# Altium PCB touch-2ch-v4.PcbDoc (part 1 of 8) (continued)
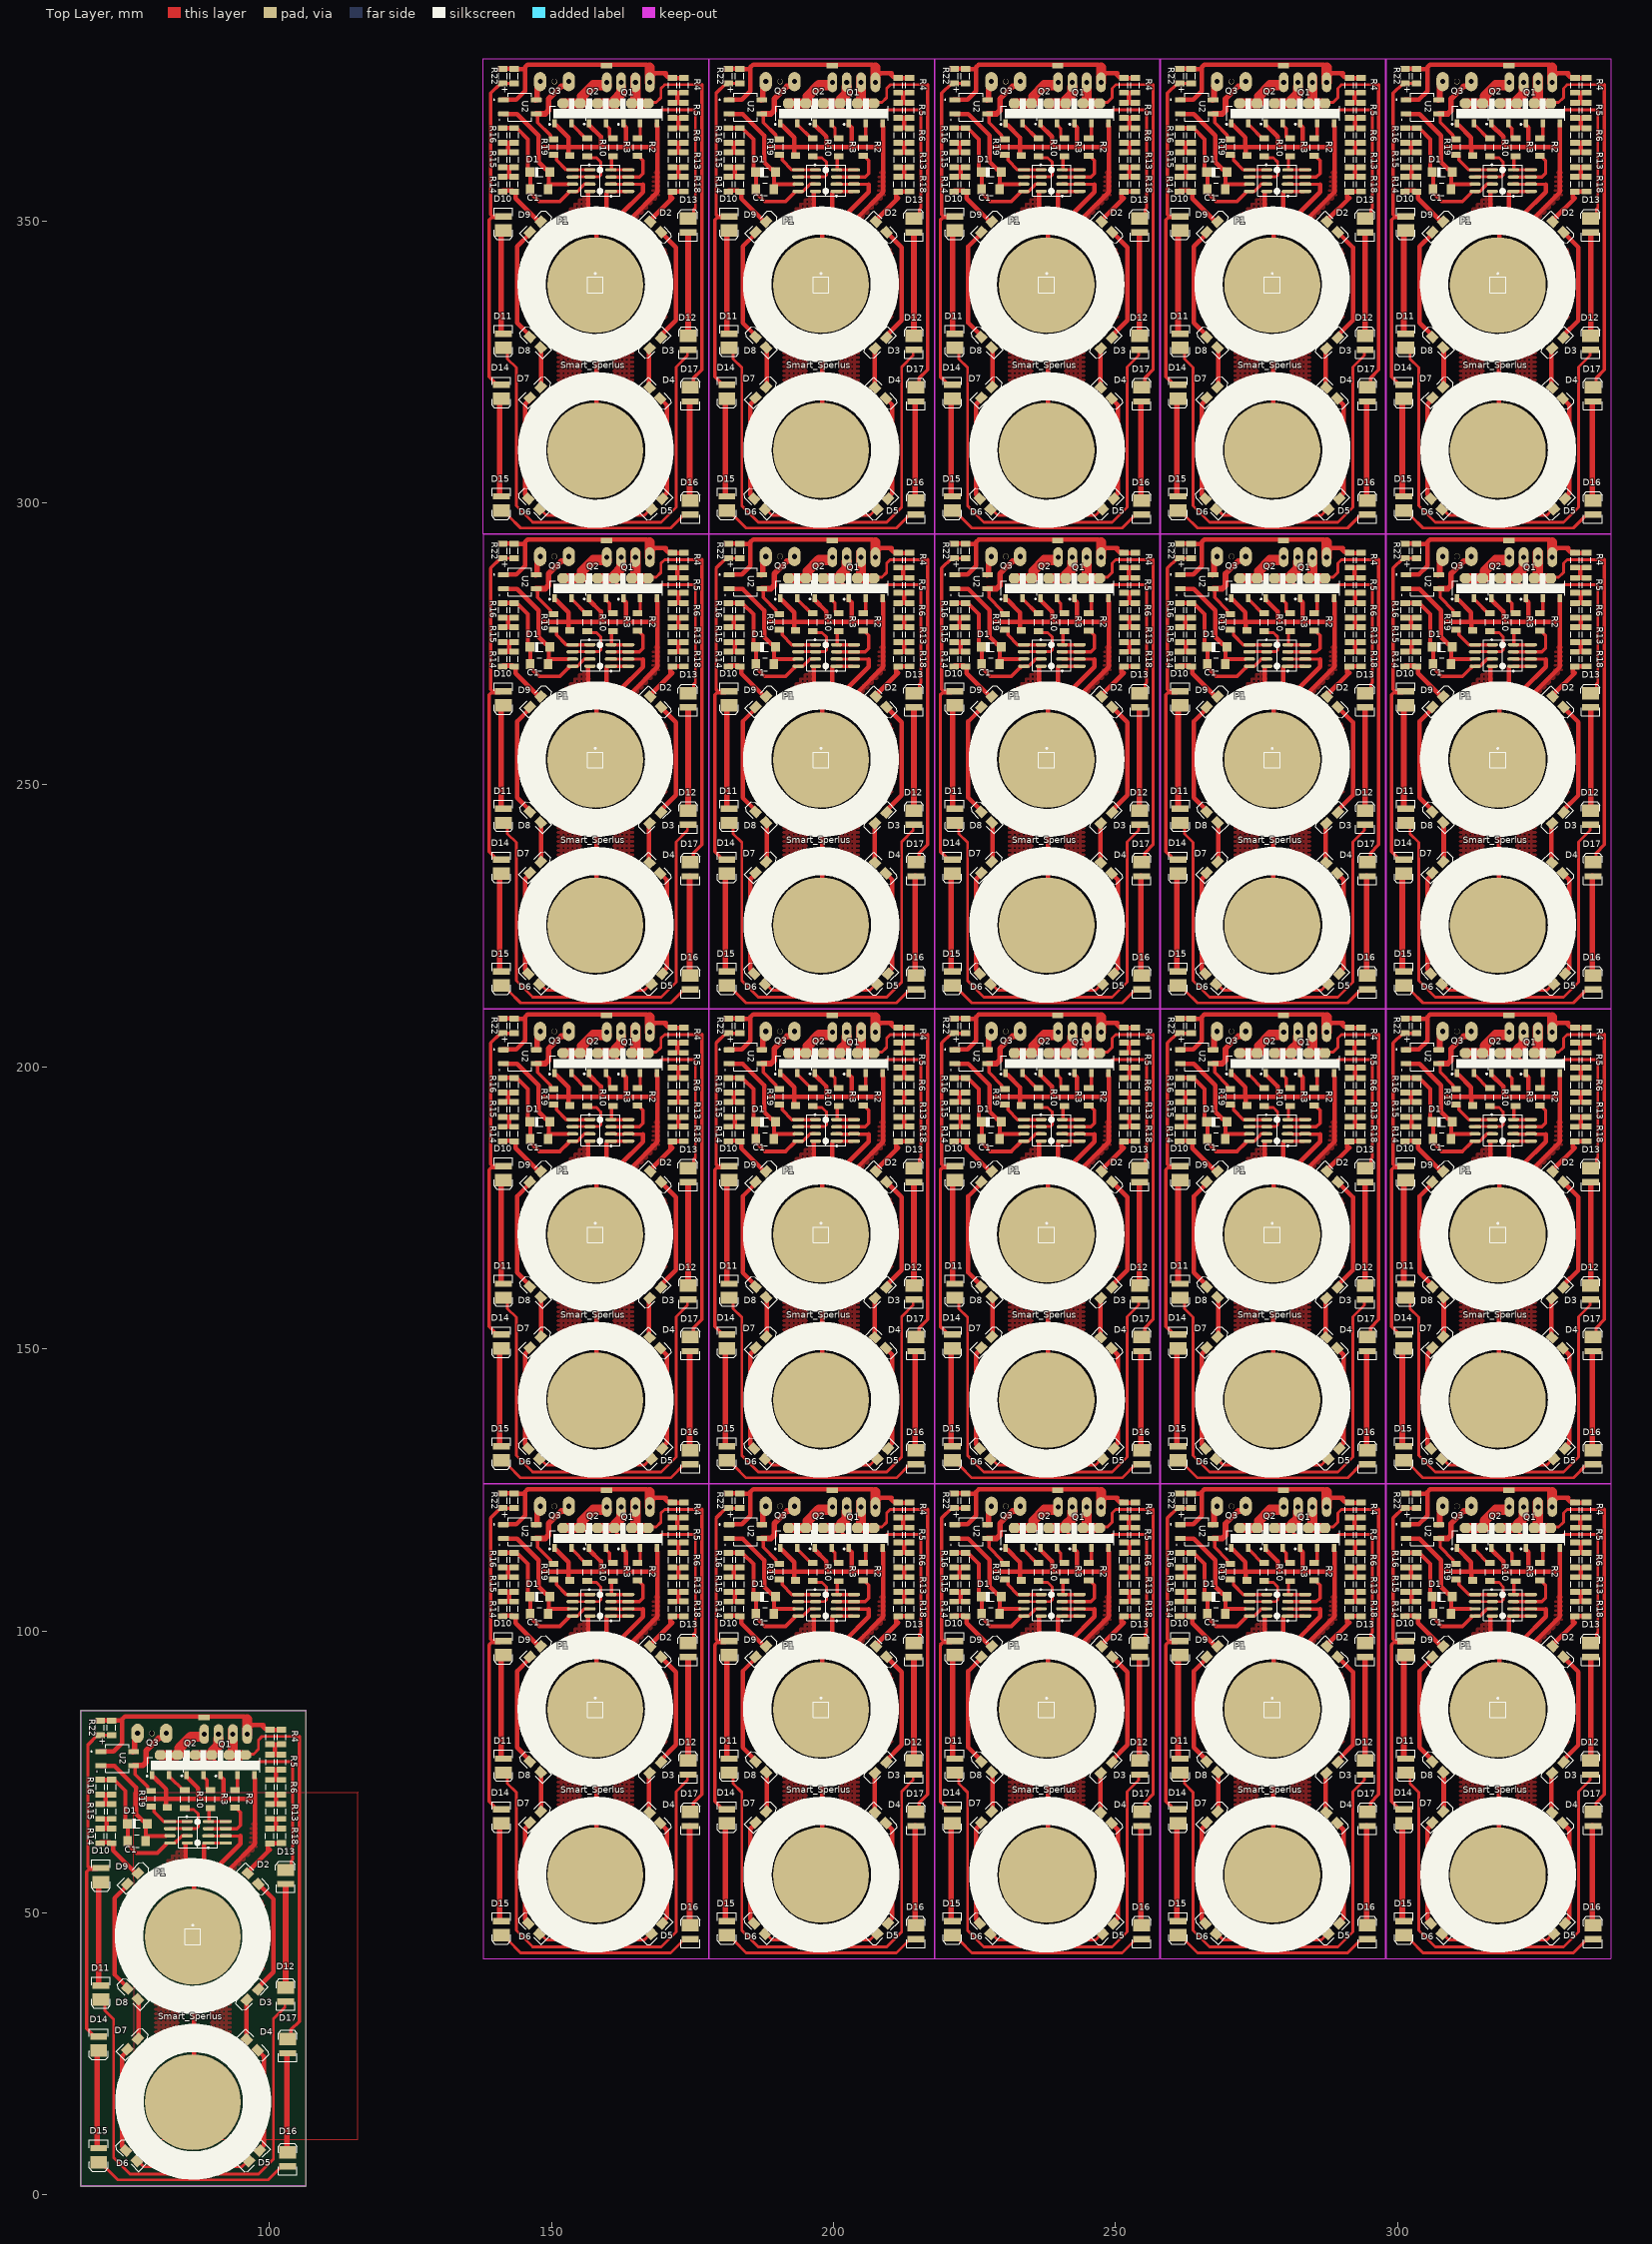
[diagram p0: Top Layer view]
## Components (designator, comment, footprint, x,y, rotation, side; value= is the part's Value field where it differs from the comment) (continued)
D15 "LED2" 3.2X1.6X1.1#5 141.097,47.117 r270 top
D15 "LED2" 3.2X1.6X1.1#5 181.097,47.117 r270 top
D15 "LED2" 3.2X1.6X1.1#5 221.097,47.117 r270 top
D15 "LED2" 3.2X1.6X1.1#5 261.097,47.117 r270 top
D15 "LED2" 3.2X1.6X1.1#5 301.097,47.117 r270 top
D15 "LED2" 3.2X1.6X1.1#5 69.723,6.858 r270 top
D16 "LED2" 3.2X1.6X1.1#5 174.625,299.336 r90 top
D16 "LED2" 3.2X1.6X1.1#5 214.625,299.336 r90 top
D16 "LED2" 3.2X1.6X1.1#5 254.625,299.336 r90 top
D16 "LED2" 3.2X1.6X1.1#5 294.625,299.336 r90 top
D16 "LED2" 3.2X1.6X1.1#5 334.625,299.336 r90 top
D16 "LED2" 3.2X1.6X1.1#5 174.625,215.136 r90 top
D16 "LED2" 3.2X1.6X1.1#5 214.625,215.136 r90 top
D16 "LED2" 3.2X1.6X1.1#5 254.625,215.136 r90 top
D16 "LED2" 3.2X1.6X1.1#5 294.625,215.136 r90 top
D16 "LED2" 3.2X1.6X1.1#5 334.625,215.136 r90 top
D16 "LED2" 3.2X1.6X1.1#5 174.625,130.936 r90 top
D16 "LED2" 3.2X1.6X1.1#5 214.625,130.936 r90 top
D16 "LED2" 3.2X1.6X1.1#5 254.625,130.936 r90 top
D16 "LED2" 3.2X1.6X1.1#5 294.625,130.936 r90 top
D16 "LED2" 3.2X1.6X1.1#5 334.625,130.936 r90 top
D16 "LED2" 3.2X1.6X1.1#5 174.625,46.736 r90 top
D16 "LED2" 3.2X1.6X1.1#5 214.625,46.736 r90 top
D16 "LED2" 3.2X1.6X1.1#5 254.625,46.736 r90 top
D16 "LED2" 3.2X1.6X1.1#5 294.625,46.736 r90 top
D16 "LED2" 3.2X1.6X1.1#5 334.625,46.736 r90 top
D16 "LED2" 3.2X1.6X1.1#5 103.251,6.477 r90 top
D17 "LED2" 3.2X1.6X1.1#5 174.625,319.402 r90 top
D17 "LED2" 3.2X1.6X1.1#5 214.625,319.402 r90 top
D17 "LED2" 3.2X1.6X1.1#5 254.625,319.402 r90 top
D17 "LED2" 3.2X1.6X1.1#5 294.625,319.402 r90 top
D17 "LED2" 3.2X1.6X1.1#5 334.625,319.402 r90 top
D17 "LED2" 3.2X1.6X1.1#5 174.625,235.202 r90 top
D17 "LED2" 3.2X1.6X1.1#5 214.625,235.202 r90 top
D17 "LED2" 3.2X1.6X1.1#5 254.625,235.202 r90 top
D17 "LED2" 3.2X1.6X1.1#5 294.625,235.202 r90 top
D17 "LED2" 3.2X1.6X1.1#5 334.625,235.202 r90 top
D17 "LED2" 3.2X1.6X1.1#5 174.625,151.002 r90 top
D17 "LED2" 3.2X1.6X1.1#5 214.625,151.002 r90 top
D17 "LED2" 3.2X1.6X1.1#5 254.625,151.002 r90 top
D17 "LED2" 3.2X1.6X1.1#5 294.625,151.002 r90 top
D17 "LED2" 3.2X1.6X1.1#5 334.625,151.002 r90 top
D17 "LED2" 3.2X1.6X1.1#5 174.625,66.802 r90 top
D17 "LED2" 3.2X1.6X1.1#5 214.625,66.802 r90 top
D17 "LED2" 3.2X1.6X1.1#5 254.625,66.802 r90 top
D17 "LED2" 3.2X1.6X1.1#5 294.625,66.802 r90 top
D17 "LED2" 3.2X1.6X1.1#5 334.625,66.802 r90 top
D17 "LED2" 3.2X1.6X1.1#5 103.251,26.543 r90 top
J1 "Header4X1" "HEADER 4X1" 167.431,374.565 r180 bottom
J1 "Header4X1" "HEADER 4X1" 207.431,374.565 r180 bottom
J1 "Header4X1" "HEADER 4X1" 247.431,374.565 r180 bottom
J1 "Header4X1" "HEADER 4X1" 287.431,374.565 r180 bottom
J1 "Header4X1" "HEADER 4X1" 327.431,374.565 r180 bottom
J1 "Header4X1" "HEADER 4X1" 167.431,290.365 r180 bottom
J1 "Header4X1" "HEADER 4X1" 207.431,290.365 r180 bottom
J1 "Header4X1" "HEADER 4X1" 247.431,290.365 r180 bottom
J1 "Header4X1" "HEADER 4X1" 287.431,290.365 r180 bottom
J1 "Header4X1" "HEADER 4X1" 327.431,290.365 r180 bottom
J1 "Header4X1" "HEADER 4X1" 167.431,206.165 r180 bottom
J1 "Header4X1" "HEADER 4X1" 207.431,206.165 r180 bottom
J1 "Header4X1" "HEADER 4X1" 247.431,206.165 r180 bottom
J1 "Header4X1" "HEADER 4X1" 287.431,206.165 r180 bottom
J1 "Header4X1" "HEADER 4X1" 327.431,206.165 r180 bottom
J1 "Header4X1" "HEADER 4X1" 167.431,121.965 r180 bottom
J1 "Header4X1" "HEADER 4X1" 207.431,121.965 r180 bottom
J1 "Header4X1" "HEADER 4X1" 247.431,121.965 r180 bottom
J1 "Header4X1" "HEADER 4X1" 287.431,121.965 r180 bottom
J1 "Header4X1" "HEADER 4X1" 327.431,121.965 r180 bottom
J1 "Header4X1" "HEADER 4X1" 96.057,81.706 r180 bottom
J2 "Header3X1" "HEADER 3X1" 148,374.692 r0 bottom
J2 "Header3X1" "HEADER 3X1" 188,374.692 r0 bottom
J2 "Header3X1" "HEADER 3X1" 228,374.692 r0 bottom
J2 "Header3X1" "HEADER 3X1" 268,374.692 r0 bottom
J2 "Header3X1" "HEADER 3X1" 308,374.692 r0 bottom
J2 "Header3X1" "HEADER 3X1" 148,290.492 r0 bottom
J2 "Header3X1" "HEADER 3X1" 188,290.492 r0 bottom
J2 "Header3X1" "HEADER 3X1" 228,290.492 r0 bottom
J2 "Header3X1" "HEADER 3X1" 268,290.492 r0 bottom
J2 "Header3X1" "HEADER 3X1" 308,290.492 r0 bottom
J2 "Header3X1" "HEADER 3X1" 148,206.292 r0 bottom
J2 "Header3X1" "HEADER 3X1" 188,206.292 r0 bottom
J2 "Header3X1" "HEADER 3X1" 228,206.292 r0 bottom
J2 "Header3X1" "HEADER 3X1" 268,206.292 r0 bottom
J2 "Header3X1" "HEADER 3X1" 308,206.292 r0 bottom
J2 "Header3X1" "HEADER 3X1" 148,122.092 r0 bottom
J2 "Header3X1" "HEADER 3X1" 188,122.092 r0 bottom
J2 "Header3X1" "HEADER 3X1" 228,122.092 r0 bottom
J2 "Header3X1" "HEADER 3X1" 268,122.092 r0 bottom
J2 "Header3X1" "HEADER 3X1" 308,122.092 r0 bottom
J2 "Header3X1" "HEADER 3X1" 76.626,81.833 r0 bottom
P1 "Plug" PIN1 157.779,338.624 r0 top
P1 "Plug" PIN1 197.779,338.624 r0 top
P1 "Plug" PIN1 237.779,338.624 r0 top
P1 "Plug" PIN1 277.779,338.624 r0 top
P1 "Plug" PIN1 317.779,338.624 r0 top
P1 "Plug" PIN1 157.779,254.424 r0 top
P1 "Plug" PIN1 197.779,254.424 r0 top
P1 "Plug" PIN1 237.779,254.424 r0 top
P1 "Plug" PIN1 277.779,254.424 r0 top
P1 "Plug" PIN1 317.779,254.424 r0 top
P1 "Plug" PIN1 157.779,170.224 r0 top
P1 "Plug" PIN1 197.779,170.224 r0 top
P1 "Plug" PIN1 237.779,170.224 r0 top
P1 "Plug" PIN1 277.779,170.224 r0 top
P1 "Plug" PIN1 317.779,170.224 r0 top
P1 "Plug" PIN1 157.779,86.024 r0 top
P1 "Plug" PIN1 197.779,86.024 r0 top
P1 "Plug" PIN1 237.779,86.024 r0 top
P1 "Plug" PIN1 277.779,86.024 r0 top
P1 "Plug" PIN1 317.779,86.024 r0 top
P1 "Plug" PIN1 86.405,45.765 r0 top
Q1 "Triac" SOT89N#1 164.234,369.081 r90 top
Q1 "Triac" SOT89N#1 204.234,369.081 r90 top
Q1 "Triac" SOT89N#1 244.233,369.081 r90 top
Q1 "Triac" SOT89N#1 284.234,369.081 r90 top
Q1 "Triac" SOT89N#1 324.233,369.081 r90 top
Q1 "Triac" SOT89N#1 164.234,284.881 r90 top
Q1 "Triac" SOT89N#1 204.234,284.881 r90 top
Q1 "Triac" SOT89N#1 244.233,284.881 r90 top
Q1 "Triac" SOT89N#1 284.234,284.881 r90 top
Q1 "Triac" SOT89N#1 324.233,284.881 r90 top
Q1 "Triac" SOT89N#1 164.234,200.681 r90 top
Q1 "Triac" SOT89N#1 204.234,200.681 r90 top
Q1 "Triac" SOT89N#1 244.233,200.681 r90 top
Q1 "Triac" SOT89N#1 284.234,200.681 r90 top
Q1 "Triac" SOT89N#1 324.233,200.681 r90 top
Q1 "Triac" SOT89N#1 164.234,116.481 r90 top
Q1 "Triac" SOT89N#1 204.234,116.481 r90 top
Q1 "Triac" SOT89N#1 244.233,116.481 r90 top
Q1 "Triac" SOT89N#1 284.234,116.481 r90 top
Q1 "Triac" SOT89N#1 324.233,116.481 r90 top
Q1 "Triac" SOT89N#1 92.86,76.222 r90 top
Q2 "Triac" SOT89N#2 158.162,369.103 r90 top
Q2 "Triac" SOT89N#2 198.162,369.103 r90 top
Q2 "Triac" SOT89N#2 238.161,369.103 r90 top
Q2 "Triac" SOT89N#2 278.162,369.103 r90 top
Q2 "Triac" SOT89N#2 318.161,369.103 r90 top
Q2 "Triac" SOT89N#2 158.162,284.903 r90 top
Q2 "Triac" SOT89N#2 198.162,284.903 r90 top
Q2 "Triac" SOT89N#2 238.161,284.903 r90 top
Q2 "Triac" SOT89N#2 278.162,284.903 r90 top
Q2 "Triac" SOT89N#2 318.161,284.903 r90 top
Q2 "Triac" SOT89N#2 158.162,200.703 r90 top
Q2 "Triac" SOT89N#2 198.162,200.703 r90 top
Q2 "Triac" SOT89N#2 238.161,200.703 r90 top
Q2 "Triac" SOT89N#2 278.162,200.703 r90 top
Q2 "Triac" SOT89N#2 318.161,200.703 r90 top
Q2 "Triac" SOT89N#2 158.162,116.503 r90 top
Q2 "Triac" SOT89N#2 198.162,116.503 r90 top
Q2 "Triac" SOT89N#2 238.161,116.503 r90 top
Q2 "Triac" SOT89N#2 278.162,116.503 r90 top
Q2 "Triac" SOT89N#2 318.161,116.503 r90 top
Q2 "Triac" SOT89N#2 86.788,76.244 r90 top
Q3 "Triac" SOT89N#1 152.042,369.081 r90 top
Q3 "Triac" SOT89N#1 192.042,369.081 r90 top
Q3 "Triac" SOT89N#1 232.041,369.081 r90 top
Q3 "Triac" SOT89N#1 272.042,369.081 r90 top
Q3 "Triac" SOT89N#1 312.041,369.081 r90 top
Q3 "Triac" SOT89N#1 152.042,284.881 r90 top
Q3 "Triac" SOT89N#1 192.042,284.881 r90 top
Q3 "Triac" SOT89N#1 232.041,284.881 r90 top
Q3 "Triac" SOT89N#1 272.042,284.881 r90 top
Q3 "Triac" SOT89N#1 312.041,284.881 r90 top
Q3 "Triac" SOT89N#1 152.042,200.681 r90 top
Q3 "Triac" SOT89N#1 192.042,200.681 r90 top
Q3 "Triac" SOT89N#1 232.041,200.681 r90 top
Q3 "Triac" SOT89N#1 272.042,200.681 r90 top
Q3 "Triac" SOT89N#1 312.041,200.681 r90 top
Q3 "Triac" SOT89N#1 152.042,116.481 r90 top
Q3 "Triac" SOT89N#1 192.042,116.481 r90 top
Q3 "Triac" SOT89N#1 232.041,116.481 r90 top
Q3 "Triac" SOT89N#1 272.042,116.481 r90 top
Q3 "Triac" SOT89N#1 312.041,116.481 r90 top
Q3 "Triac" SOT89N#1 80.668,76.222 r90 top
R2 "10K" "RES 1206 (3216X08L)"#1 165.25,362.985 r90 top
R2 "10K" "RES 1206 (3216X08L)"#1 205.25,362.985 r90 top
R2 "10K" "RES 1206 (3216X08L)"#1 245.249,362.985 r90 top
R2 "10K" "RES 1206 (3216X08L)"#1 285.25,362.985 r90 top
R2 "10K" "RES 1206 (3216X08L)"#1 325.249,362.985 r90 top
R2 "10K" "RES 1206 (3216X08L)"#1 165.25,278.785 r90 top
R2 "10K" "RES 1206 (3216X08L)"#1 205.25,278.785 r90 top
R2 "10K" "RES 1206 (3216X08L)"#1 245.249,278.785 r90 top
R2 "10K" "RES 1206 (3216X08L)"#1 285.25,278.785 r90 top
R2 "10K" "RES 1206 (3216X08L)"#1 325.249,278.785 r90 top
R2 "10K" "RES 1206 (3216X08L)"#1 165.25,194.585 r90 top
R2 "10K" "RES 1206 (3216X08L)"#1 205.25,194.585 r90 top
R2 "10K" "RES 1206 (3216X08L)"#1 245.249,194.585 r90 top
R2 "10K" "RES 1206 (3216X08L)"#1 285.25,194.585 r90 top
R2 "10K" "RES 1206 (3216X08L)"#1 325.249,194.585 r90 top
R2 "10K" "RES 1206 (3216X08L)"#1 165.25,110.385 r90 top
R2 "10K" "RES 1206 (3216X08L)"#1 205.25,110.385 r90 top
R2 "10K" "RES 1206 (3216X08L)"#1 245.249,110.385 r90 top
R2 "10K" "RES 1206 (3216X08L)"#1 285.25,110.385 r90 top
R2 "10K" "RES 1206 (3216X08L)"#1 325.249,110.385 r90 top
R2 "10K" "RES 1206 (3216X08L)"#1 93.876,70.126 r90 top
R3 "10K" "RES 1206 (3216X08L)"#2 160.932,362.985 r90 top
R3 "10K" "RES 1206 (3216X08L)"#2 200.932,362.985 r90 top
R3 "10K" "RES 1206 (3216X08L)"#2 240.931,362.985 r90 top
R3 "10K" "RES 1206 (3216X08L)"#2 280.932,362.985 r90 top
R3 "10K" "RES 1206 (3216X08L)"#2 320.931,362.985 r90 top
R3 "10K" "RES 1206 (3216X08L)"#2 160.932,278.785 r90 top
R3 "10K" "RES 1206 (3216X08L)"#2 200.932,278.785 r90 top
R3 "10K" "RES 1206 (3216X08L)"#2 240.931,278.785 r90 top
R3 "10K" "RES 1206 (3216X08L)"#2 280.932,278.785 r90 top
R3 "10K" "RES 1206 (3216X08L)"#2 320.931,278.785 r90 top
R3 "10K" "RES 1206 (3216X08L)"#2 160.932,194.585 r90 top
R3 "10K" "RES 1206 (3216X08L)"#2 200.932,194.585 r90 top
R3 "10K" "RES 1206 (3216X08L)"#2 240.931,194.585 r90 top
R3 "10K" "RES 1206 (3216X08L)"#2 280.932,194.585 r90 top
R3 "10K" "RES 1206 (3216X08L)"#2 320.931,194.585 r90 top
R3 "10K" "RES 1206 (3216X08L)"#2 160.932,110.385 r90 top
R3 "10K" "RES 1206 (3216X08L)"#2 200.932,110.385 r90 top
R3 "10K" "RES 1206 (3216X08L)"#2 240.931,110.385 r90 top
R3 "10K" "RES 1206 (3216X08L)"#2 280.932,110.385 r90 top
R3 "10K" "RES 1206 (3216X08L)"#2 320.931,110.385 r90 top
R3 "10K" "RES 1206 (3216X08L)"#2 89.558,70.126 r90 top
R4 "10K" "RES 1206 (3216X08L)"#3 171.473,374.034 r270 top
R4 "10K" "RES 1206 (3216X08L)"#3 211.473,374.034 r270 top
R4 "10K" "RES 1206 (3216X08L)"#3 251.472,374.034 r270 top
R4 "10K" "RES 1206 (3216X08L)"#3 291.473,374.034 r270 top
R4 "10K" "RES 1206 (3216X08L)"#3 331.472,374.034 r270 top
R4 "10K" "RES 1206 (3216X08L)"#3 171.473,289.834 r270 top
R4 "10K" "RES 1206 (3216X08L)"#3 211.473,289.834 r270 top
R4 "10K" "RES 1206 (3216X08L)"#3 251.472,289.834 r270 top
R4 "10K" "RES 1206 (3216X08L)"#3 291.473,289.834 r270 top
R4 "10K" "RES 1206 (3216X08L)"#3 331.472,289.834 r270 top
R4 "10K" "RES 1206 (3216X08L)"#3 171.473,205.634 r270 top
R4 "10K" "RES 1206 (3216X08L)"#3 211.473,205.634 r270 top
R4 "10K" "RES 1206 (3216X08L)"#3 251.472,205.634 r270 top
R4 "10K" "RES 1206 (3216X08L)"#3 291.473,205.634 r270 top
R4 "10K" "RES 1206 (3216X08L)"#3 331.472,205.634 r270 top
R4 "10K" "RES 1206 (3216X08L)"#3 171.473,121.434 r270 top
R4 "10K" "RES 1206 (3216X08L)"#3 211.473,121.434 r270 top
R4 "10K" "RES 1206 (3216X08L)"#3 251.472,121.434 r270 top
R4 "10K" "RES 1206 (3216X08L)"#3 291.473,121.434 r270 top
R4 "10K" "RES 1206 (3216X08L)"#3 331.472,121.434 r270 top
R4 "10K" "RES 1206 (3216X08L)"#3 100.099,81.175 r270 top
R5 "10K" "RES 1206 (3216X08L)"#3 171.473,369.589 r270 top
R5 "10K" "RES 1206 (3216X08L)"#3 211.473,369.589 r270 top
R5 "10K" "RES 1206 (3216X08L)"#3 251.472,369.589 r270 top
R5 "10K" "RES 1206 (3216X08L)"#3 291.473,369.589 r270 top
R5 "10K" "RES 1206 (3216X08L)"#3 331.472,369.589 r270 top
R5 "10K" "RES 1206 (3216X08L)"#3 171.473,285.389 r270 top
R5 "10K" "RES 1206 (3216X08L)"#3 211.473,285.389 r270 top
R5 "10K" "RES 1206 (3216X08L)"#3 251.472,285.389 r270 top
R5 "10K" "RES 1206 (3216X08L)"#3 291.473,285.389 r270 top
R5 "10K" "RES 1206 (3216X08L)"#3 331.472,285.389 r270 top
R5 "10K" "RES 1206 (3216X08L)"#3 171.473,201.189 r270 top
R5 "10K" "RES 1206 (3216X08L)"#3 211.473,201.189 r270 top
R5 "10K" "RES 1206 (3216X08L)"#3 251.472,201.189 r270 top
R5 "10K" "RES 1206 (3216X08L)"#3 291.473,201.189 r270 top
R5 "10K" "RES 1206 (3216X08L)"#3 331.472,201.189 r270 top
R5 "10K" "RES 1206 (3216X08L)"#3 171.473,116.989 r270 top
R5 "10K" "RES 1206 (3216X08L)"#3 211.473,116.989 r270 top
R5 "10K" "RES 1206 (3216X08L)"#3 251.472,116.989 r270 top
R5 "10K" "RES 1206 (3216X08L)"#3 291.473,116.989 r270 top
R5 "10K" "RES 1206 (3216X08L)"#3 331.472,116.989 r270 top
R5 "10K" "RES 1206 (3216X08L)"#3 100.099,76.73 r270 top
R6 "10K" "RES 1206 (3216X08L)"#3 171.473,365.144 r270 top
R6 "10K" "RES 1206 (3216X08L)"#3 211.473,365.144 r270 top
R6 "10K" "RES 1206 (3216X08L)"#3 251.472,365.144 r270 top
R6 "10K" "RES 1206 (3216X08L)"#3 291.473,365.144 r270 top
R6 "10K" "RES 1206 (3216X08L)"#3 331.472,365.144 r270 top
R6 "10K" "RES 1206 (3216X08L)"#3 171.473,280.944 r270 top
R6 "10K" "RES 1206 (3216X08L)"#3 211.473,280.944 r270 top
R6 "10K" "RES 1206 (3216X08L)"#3 251.472,280.944 r270 top
R6 "10K" "RES 1206 (3216X08L)"#3 291.473,280.944 r270 top
R6 "10K" "RES 1206 (3216X08L)"#3 331.472,280.944 r270 top
R6 "10K" "RES 1206 (3216X08L)"#3 171.473,196.744 r270 top
R6 "10K" "RES 1206 (3216X08L)"#3 211.473,196.744 r270 top
R6 "10K" "RES 1206 (3216X08L)"#3 251.472,196.744 r270 top
R6 "10K" "RES 1206 (3216X08L)"#3 291.473,196.744 r270 top
R6 "10K" "RES 1206 (3216X08L)"#3 331.472,196.744 r270 top
R6 "10K" "RES 1206 (3216X08L)"#3 171.473,112.544 r270 top
R6 "10K" "RES 1206 (3216X08L)"#3 211.473,112.544 r270 top
R6 "10K" "RES 1206 (3216X08L)"#3 251.472,112.544 r270 top
R6 "10K" "RES 1206 (3216X08L)"#3 291.473,112.544 r270 top
R6 "10K" "RES 1206 (3216X08L)"#3 331.472,112.544 r270 top
R6 "10K" "RES 1206 (3216X08L)"#3 100.099,72.285 r270 top
R7 "10K" "RES 1206 (3216X08L)"#3 143.383,356.486 r90 top
R7 "10K" "RES 1206 (3216X08L)"#3 183.383,356.486 r90 top
R7 "10K" "RES 1206 (3216X08L)"#3 223.383,356.486 r90 top
R7 "10K" "RES 1206 (3216X08L)"#3 263.383,356.486 r90 top
R7 "10K" "RES 1206 (3216X08L)"#3 303.383,356.486 r90 top
R7 "10K" "RES 1206 (3216X08L)"#3 143.383,272.286 r90 top
R7 "10K" "RES 1206 (3216X08L)"#3 183.383,272.286 r90 top
R7 "10K" "RES 1206 (3216X08L)"#3 223.383,272.286 r90 top
R7 "10K" "RES 1206 (3216X08L)"#3 263.383,272.286 r90 top
R7 "10K" "RES 1206 (3216X08L)"#3 303.383,272.286 r90 top
R7 "10K" "RES 1206 (3216X08L)"#3 143.383,188.086 r90 top
R7 "10K" "RES 1206 (3216X08L)"#3 183.383,188.086 r90 top
R7 "10K" "RES 1206 (3216X08L)"#3 223.383,188.086 r90 top
R7 "10K" "RES 1206 (3216X08L)"#3 263.383,188.086 r90 top
R7 "10K" "RES 1206 (3216X08L)"#3 303.383,188.086 r90 top
R7 "10K" "RES 1206 (3216X08L)"#3 143.383,103.886 r90 top
R7 "10K" "RES 1206 (3216X08L)"#3 183.383,103.886 r90 top
R7 "10K" "RES 1206 (3216X08L)"#3 223.383,103.886 r90 top
R7 "10K" "RES 1206 (3216X08L)"#3 263.383,103.886 r90 top
R7 "10K" "RES 1206 (3216X08L)"#3 303.383,103.886 r90 top
R7 "10K" "RES 1206 (3216X08L)"#3 72.009,63.627 r90 top
R8 "10K" "RES 1206 (3216X08L)"#3 143.406,360.826 r90 top
R8 "10K" "RES 1206 (3216X08L)"#3 183.406,360.826 r90 top
R8 "10K" "RES 1206 (3216X08L)"#3 223.405,360.826 r90 top
R8 "10K" "RES 1206 (3216X08L)"#3 263.406,360.826 r90 top
R8 "10K" "RES 1206 (3216X08L)"#3 303.405,360.826 r90 top
R8 "10K" "RES 1206 (3216X08L)"#3 143.406,276.626 r90 top
R8 "10K" "RES 1206 (3216X08L)"#3 183.406,276.626 r90 top
R8 "10K" "RES 1206 (3216X08L)"#3 223.405,276.626 r90 top
R8 "10K" "RES 1206 (3216X08L)"#3 263.406,276.626 r90 top
R8 "10K" "RES 1206 (3216X08L)"#3 303.405,276.626 r90 top
R8 "10K" "RES 1206 (3216X08L)"#3 143.406,192.426 r90 top
R8 "10K" "RES 1206 (3216X08L)"#3 183.406,192.426 r90 top
R8 "10K" "RES 1206 (3216X08L)"#3 223.405,192.426 r90 top
R8 "10K" "RES 1206 (3216X08L)"#3 263.406,192.426 r90 top
R8 "10K" "RES 1206 (3216X08L)"#3 303.405,192.426 r90 top
R8 "10K" "RES 1206 (3216X08L)"#3 143.406,108.226 r90 top
R8 "10K" "RES 1206 (3216X08L)"#3 183.406,108.226 r90 top
R8 "10K" "RES 1206 (3216X08L)"#3 223.405,108.226 r90 top
R8 "10K" "RES 1206 (3216X08L)"#3 263.406,108.226 r90 top
R8 "10K" "RES 1206 (3216X08L)"#3 303.405,108.226 r90 top
R8 "10K" "RES 1206 (3216X08L)"#3 72.032,67.967 r90 top
R9 "10K" "RES 1206 (3216X08L)"#3 143.406,365.144 r90 top
R9 "10K" "RES 1206 (3216X08L)"#3 183.406,365.144 r90 top
R9 "10K" "RES 1206 (3216X08L)"#3 223.405,365.144 r90 top
R9 "10K" "RES 1206 (3216X08L)"#3 263.406,365.144 r90 top
R9 "10K" "RES 1206 (3216X08L)"#3 303.405,365.144 r90 top
R9 "10K" "RES 1206 (3216X08L)"#3 143.406,280.944 r90 top
R9 "10K" "RES 1206 (3216X08L)"#3 183.406,280.944 r90 top
R9 "10K" "RES 1206 (3216X08L)"#3 223.405,280.944 r90 top
R9 "10K" "RES 1206 (3216X08L)"#3 263.406,280.944 r90 top
R9 "10K" "RES 1206 (3216X08L)"#3 303.405,280.944 r90 top
R9 "10K" "RES 1206 (3216X08L)"#3 143.406,196.744 r90 top
R9 "10K" "RES 1206 (3216X08L)"#3 183.406,196.744 r90 top
R9 "10K" "RES 1206 (3216X08L)"#3 223.405,196.744 r90 top
R9 "10K" "RES 1206 (3216X08L)"#3 263.406,196.744 r90 top
R9 "10K" "RES 1206 (3216X08L)"#3 303.405,196.744 r90 top
R9 "10K" "RES 1206 (3216X08L)"#3 143.406,112.544 r90 top
R9 "10K" "RES 1206 (3216X08L)"#3 183.406,112.544 r90 top
R9 "10K" "RES 1206 (3216X08L)"#3 223.405,112.544 r90 top
R9 "10K" "RES 1206 (3216X08L)"#3 263.406,112.544 r90 top
R9 "10K" "RES 1206 (3216X08L)"#3 303.405,112.544 r90 top
R9 "10K" "RES 1206 (3216X08L)"#3 72.032,72.285 r90 top
R10 "10K" "RES 1206 (3216X08L)"#4 156.36,362.985 r90 top
R10 "10K" "RES 1206 (3216X08L)"#4 196.36,362.985 r90 top
R10 "10K" "RES 1206 (3216X08L)"#4 236.359,362.985 r90 top
R10 "10K" "RES 1206 (3216X08L)"#4 276.36,362.985 r90 top
R10 "10K" "RES 1206 (3216X08L)"#4 316.359,362.985 r90 top
R10 "10K" "RES 1206 (3216X08L)"#4 156.36,278.785 r90 top
R10 "10K" "RES 1206 (3216X08L)"#4 196.36,278.785 r90 top
R10 "10K" "RES 1206 (3216X08L)"#4 236.359,278.785 r90 top
R10 "10K" "RES 1206 (3216X08L)"#4 276.36,278.785 r90 top
R10 "10K" "RES 1206 (3216X08L)"#4 316.359,278.785 r90 top
R10 "10K" "RES 1206 (3216X08L)"#4 156.36,194.585 r90 top
R10 "10K" "RES 1206 (3216X08L)"#4 196.36,194.585 r90 top
R10 "10K" "RES 1206 (3216X08L)"#4 236.359,194.585 r90 top
R10 "10K" "RES 1206 (3216X08L)"#4 276.36,194.585 r90 top
R10 "10K" "RES 1206 (3216X08L)"#4 316.359,194.585 r90 top
R10 "10K" "RES 1206 (3216X08L)"#4 156.36,110.385 r90 top
R10 "10K" "RES 1206 (3216X08L)"#4 196.36,110.385 r90 top
R10 "10K" "RES 1206 (3216X08L)"#4 236.359,110.385 r90 top
R10 "10K" "RES 1206 (3216X08L)"#4 276.36,110.385 r90 top
R10 "10K" "RES 1206 (3216X08L)"#4 316.359,110.385 r90 top
R10 "10K" "RES 1206 (3216X08L)"#4 84.986,70.126 r90 top
R11 "10K" "RES 1206 (3216X08L)"#3 173.505,374.034 r270 top
R11 "10K" "RES 1206 (3216X08L)"#3 213.505,374.034 r270 top
R11 "10K" "RES 1206 (3216X08L)"#3 253.504,374.034 r270 top
R11 "10K" "RES 1206 (3216X08L)"#3 293.505,374.034 r270 top
R11 "10K" "RES 1206 (3216X08L)"#3 333.504,374.034 r270 top
R11 "10K" "RES 1206 (3216X08L)"#3 173.505,289.834 r270 top
R11 "10K" "RES 1206 (3216X08L)"#3 213.505,289.834 r270 top
R11 "10K" "RES 1206 (3216X08L)"#3 253.504,289.834 r270 top
R11 "10K" "RES 1206 (3216X08L)"#3 293.505,289.834 r270 top
R11 "10K" "RES 1206 (3216X08L)"#3 333.504,289.834 r270 top
R11 "10K" "RES 1206 (3216X08L)"#3 173.505,205.634 r270 top
R11 "10K" "RES 1206 (3216X08L)"#3 213.505,205.634 r270 top
R11 "10K" "RES 1206 (3216X08L)"#3 253.504,205.634 r270 top
R11 "10K" "RES 1206 (3216X08L)"#3 293.505,205.634 r270 top
R11 "10K" "RES 1206 (3216X08L)"#3 333.504,205.634 r270 top
R11 "10K" "RES 1206 (3216X08L)"#3 173.505,121.434 r270 top
R11 "10K" "RES 1206 (3216X08L)"#3 213.505,121.434 r270 top
R11 "10K" "RES 1206 (3216X08L)"#3 253.504,121.434 r270 top
R11 "10K" "RES 1206 (3216X08L)"#3 293.505,121.434 r270 top
R11 "10K" "RES 1206 (3216X08L)"#3 333.504,121.434 r270 top
R11 "10K" "RES 1206 (3216X08L)"#3 102.131,81.175 r270 top
R12 "10K" "RES 1206 (3216X08L)"#3 173.505,369.589 r270 top
R12 "10K" "RES 1206 (3216X08L)"#3 213.505,369.589 r270 top
R12 "10K" "RES 1206 (3216X08L)"#3 253.504,369.589 r270 top
R12 "10K" "RES 1206 (3216X08L)"#3 293.505,369.589 r270 top
R12 "10K" "RES 1206 (3216X08L)"#3 333.504,369.589 r270 top
R12 "10K" "RES 1206 (3216X08L)"#3 173.505,285.389 r270 top
R12 "10K" "RES 1206 (3216X08L)"#3 213.505,285.389 r270 top
R12 "10K" "RES 1206 (3216X08L)"#3 253.504,285.389 r270 top
R12 "10K" "RES 1206 (3216X08L)"#3 293.505,285.389 r270 top
R12 "10K" "RES 1206 (3216X08L)"#3 333.504,285.389 r270 top
R12 "10K" "RES 1206 (3216X08L)"#3 173.505,201.189 r270 top
R12 "10K" "RES 1206 (3216X08L)"#3 213.505,201.189 r270 top
R12 "10K" "RES 1206 (3216X08L)"#3 253.504,201.189 r270 top
R12 "10K" "RES 1206 (3216X08L)"#3 293.505,201.189 r270 top
R12 "10K" "RES 1206 (3216X08L)"#3 333.504,201.189 r270 top
R12 "10K" "RES 1206 (3216X08L)"#3 173.505,116.989 r270 top
R12 "10K" "RES 1206 (3216X08L)"#3 213.505,116.989 r270 top
R12 "10K" "RES 1206 (3216X08L)"#3 253.504,116.989 r270 top
R12 "10K" "RES 1206 (3216X08L)"#3 293.505,116.989 r270 top
R12 "10K" "RES 1206 (3216X08L)"#3 333.504,116.989 r270 top
R12 "10K" "RES 1206 (3216X08L)"#3 102.131,76.73 r270 top
R13 "10K" "RES 1206 (3216X08L)"#3 173.505,365.144 r270 top
R13 "10K" "RES 1206 (3216X08L)"#3 213.505,365.144 r270 top
R13 "10K" "RES 1206 (3216X08L)"#3 253.504,365.144 r270 top
R13 "10K" "RES 1206 (3216X08L)"#3 293.505,365.144 r270 top
R13 "10K" "RES 1206 (3216X08L)"#3 333.504,365.144 r270 top
R13 "10K" "RES 1206 (3216X08L)"#3 173.505,280.944 r270 top
R13 "10K" "RES 1206 (3216X08L)"#3 213.505,280.944 r270 top
R13 "10K" "RES 1206 (3216X08L)"#3 253.504,280.944 r270 top
R13 "10K" "RES 1206 (3216X08L)"#3 293.505,280.944 r270 top
R13 "10K" "RES 1206 (3216X08L)"#3 333.504,280.944 r270 top
R13 "10K" "RES 1206 (3216X08L)"#3 173.505,196.744 r270 top
R13 "10K" "RES 1206 (3216X08L)"#3 213.505,196.744 r270 top
R13 "10K" "RES 1206 (3216X08L)"#3 253.504,196.744 r270 top
R13 "10K" "RES 1206 (3216X08L)"#3 293.505,196.744 r270 top
R13 "10K" "RES 1206 (3216X08L)"#3 333.504,196.744 r270 top
R13 "10K" "RES 1206 (3216X08L)"#3 173.505,112.544 r270 top
R13 "10K" "RES 1206 (3216X08L)"#3 213.505,112.544 r270 top
R13 "10K" "RES 1206 (3216X08L)"#3 253.504,112.544 r270 top
R13 "10K" "RES 1206 (3216X08L)"#3 293.505,112.544 r270 top
R13 "10K" "RES 1206 (3216X08L)"#3 333.504,112.544 r270 top
R13 "10K" "RES 1206 (3216X08L)"#3 102.131,72.285 r270 top
R14 "10K" "RES 1206 (3216X08L)"#3 141.351,356.486 r90 top
R14 "10K" "RES 1206 (3216X08L)"#3 181.351,356.486 r90 top
R14 "10K" "RES 1206 (3216X08L)"#3 221.351,356.486 r90 top
R14 "10K" "RES 1206 (3216X08L)"#3 261.351,356.486 r90 top
R14 "10K" "RES 1206 (3216X08L)"#3 301.351,356.486 r90 top
R14 "10K" "RES 1206 (3216X08L)"#3 141.351,272.286 r90 top
R14 "10K" "RES 1206 (3216X08L)"#3 181.351,272.286 r90 top
R14 "10K" "RES 1206 (3216X08L)"#3 221.351,272.286 r90 top
R14 "10K" "RES 1206 (3216X08L)"#3 261.351,272.286 r90 top
R14 "10K" "RES 1206 (3216X08L)"#3 301.351,272.286 r90 top
R14 "10K" "RES 1206 (3216X08L)"#3 141.351,188.086 r90 top
R14 "10K" "RES 1206 (3216X08L)"#3 181.351,188.086 r90 top
R14 "10K" "RES 1206 (3216X08L)"#3 221.351,188.086 r90 top
R14 "10K" "RES 1206 (3216X08L)"#3 261.351,188.086 r90 top
R14 "10K" "RES 1206 (3216X08L)"#3 301.351,188.086 r90 top
R14 "10K" "RES 1206 (3216X08L)"#3 141.351,103.886 r90 top
R14 "10K" "RES 1206 (3216X08L)"#3 181.351,103.886 r90 top
R14 "10K" "RES 1206 (3216X08L)"#3 221.351,103.886 r90 top
R14 "10K" "RES 1206 (3216X08L)"#3 261.351,103.886 r90 top
R14 "10K" "RES 1206 (3216X08L)"#3 301.351,103.886 r90 top
R14 "10K" "RES 1206 (3216X08L)"#3 69.977,63.627 r90 top
R15 "10K" "RES 1206 (3216X08L)"#3 141.374,360.826 r90 top
R15 "10K" "RES 1206 (3216X08L)"#3 181.374,360.826 r90 top
R15 "10K" "RES 1206 (3216X08L)"#3 221.373,360.826 r90 top
R15 "10K" "RES 1206 (3216X08L)"#3 261.374,360.826 r90 top
R15 "10K" "RES 1206 (3216X08L)"#3 301.373,360.826 r90 top
R15 "10K" "RES 1206 (3216X08L)"#3 141.374,276.626 r90 top
R15 "10K" "RES 1206 (3216X08L)"#3 181.374,276.626 r90 top
R15 "10K" "RES 1206 (3216X08L)"#3 221.373,276.626 r90 top
R15 "10K" "RES 1206 (3216X08L)"#3 261.374,276.626 r90 top
R15 "10K" "RES 1206 (3216X08L)"#3 301.373,276.626 r90 top
R15 "10K" "RES 1206 (3216X08L)"#3 141.374,192.426 r90 top
R15 "10K" "RES 1206 (3216X08L)"#3 181.374,192.426 r90 top
R15 "10K" "RES 1206 (3216X08L)"#3 221.373,192.426 r90 top
R15 "10K" "RES 1206 (3216X08L)"#3 261.374,192.426 r90 top
R15 "10K" "RES 1206 (3216X08L)"#3 301.373,192.426 r90 top
R15 "10K" "RES 1206 (3216X08L)"#3 141.374,108.226 r90 top
R15 "10K" "RES 1206 (3216X08L)"#3 181.374,108.226 r90 top
R15 "10K" "RES 1206 (3216X08L)"#3 221.373,108.226 r90 top
R15 "10K" "RES 1206 (3216X08L)"#3 261.374,108.226 r90 top
R15 "10K" "RES 1206 (3216X08L)"#3 301.373,108.226 r90 top
R15 "10K" "RES 1206 (3216X08L)"#3 70,67.967 r90 top
R16 "10K" "RES 1206 (3216X08L)"#3 141.374,365.144 r90 top
R16 "10K" "RES 1206 (3216X08L)"#3 181.374,365.144 r90 top
R16 "10K" "RES 1206 (3216X08L)"#3 221.373,365.144 r90 top
R16 "10K" "RES 1206 (3216X08L)"#3 261.374,365.144 r90 top
R16 "10K" "RES 1206 (3216X08L)"#3 301.373,365.144 r90 top
R16 "10K" "RES 1206 (3216X08L)"#3 141.374,280.944 r90 top
R16 "10K" "RES 1206 (3216X08L)"#3 181.374,280.944 r90 top
R16 "10K" "RES 1206 (3216X08L)"#3 221.373,280.944 r90 top
R16 "10K" "RES 1206 (3216X08L)"#3 261.374,280.944 r90 top
R16 "10K" "RES 1206 (3216X08L)"#3 301.373,280.944 r90 top
R16 "10K" "RES 1206 (3216X08L)"#3 141.374,196.744 r90 top
R16 "10K" "RES 1206 (3216X08L)"#3 181.374,196.744 r90 top
R16 "10K" "RES 1206 (3216X08L)"#3 221.373,196.744 r90 top
R16 "10K" "RES 1206 (3216X08L)"#3 261.374,196.744 r90 top
R16 "10K" "RES 1206 (3216X08L)"#3 301.373,196.744 r90 top
R16 "10K" "RES 1206 (3216X08L)"#3 141.374,112.544 r90 top
R16 "10K" "RES 1206 (3216X08L)"#3 181.374,112.544 r90 top
R16 "10K" "RES 1206 (3216X08L)"#3 221.373,112.544 r90 top
R16 "10K" "RES 1206 (3216X08L)"#3 261.374,112.544 r90 top
R16 "10K" "RES 1206 (3216X08L)"#3 301.373,112.544 r90 top
R16 "10K" "RES 1206 (3216X08L)"#3 70,72.285 r90 top
R17 "10K" "RES 1206 (3216X08L)"#3 171.473,360.826 r270 top
R17 "10K" "RES 1206 (3216X08L)"#3 211.473,360.826 r270 top
R17 "10K" "RES 1206 (3216X08L)"#3 251.472,360.826 r270 top
R17 "10K" "RES 1206 (3216X08L)"#3 291.473,360.826 r270 top
R17 "10K" "RES 1206 (3216X08L)"#3 331.472,360.826 r270 top
R17 "10K" "RES 1206 (3216X08L)"#3 171.473,276.626 r270 top
R17 "10K" "RES 1206 (3216X08L)"#3 211.473,276.626 r270 top
R17 "10K" "RES 1206 (3216X08L)"#3 251.472,276.626 r270 top
R17 "10K" "RES 1206 (3216X08L)"#3 291.473,276.626 r270 top
R17 "10K" "RES 1206 (3216X08L)"#3 331.472,276.626 r270 top
R17 "10K" "RES 1206 (3216X08L)"#3 171.473,192.426 r270 top
R17 "10K" "RES 1206 (3216X08L)"#3 211.473,192.426 r270 top
R17 "10K" "RES 1206 (3216X08L)"#3 251.472,192.426 r270 top
R17 "10K" "RES 1206 (3216X08L)"#3 291.473,192.426 r270 top
R17 "10K" "RES 1206 (3216X08L)"#3 331.472,192.426 r270 top
R17 "10K" "RES 1206 (3216X08L)"#3 171.473,108.226 r270 top
R17 "10K" "RES 1206 (3216X08L)"#3 211.473,108.226 r270 top
R17 "10K" "RES 1206 (3216X08L)"#3 251.472,108.226 r270 top
R17 "10K" "RES 1206 (3216X08L)"#3 291.473,108.226 r270 top
R17 "10K" "RES 1206 (3216X08L)"#3 331.472,108.226 r270 top
R17 "10K" "RES 1206 (3216X08L)"#3 100.099,67.967 r270 top
R18 "10K" "RES 1206 (3216X08L)"#3 171.45,356.486 r270 top
R18 "10K" "RES 1206 (3216X08L)"#3 211.45,356.486 r270 top
R18 "10K" "RES 1206 (3216X08L)"#3 251.45,356.486 r270 top
R18 "10K" "RES 1206 (3216X08L)"#3 291.45,356.486 r270 top
R18 "10K" "RES 1206 (3216X08L)"#3 331.45,356.486 r270 top
R18 "10K" "RES 1206 (3216X08L)"#3 171.45,272.286 r270 top
R18 "10K" "RES 1206 (3216X08L)"#3 211.45,272.286 r270 top
R18 "10K" "RES 1206 (3216X08L)"#3 251.45,272.286 r270 top
R18 "10K" "RES 1206 (3216X08L)"#3 291.45,272.286 r270 top
R18 "10K" "RES 1206 (3216X08L)"#3 331.45,272.286 r270 top
R18 "10K" "RES 1206 (3216X08L)"#3 171.45,188.086 r270 top
R18 "10K" "RES 1206 (3216X08L)"#3 211.45,188.086 r270 top
R18 "10K" "RES 1206 (3216X08L)"#3 251.45,188.086 r270 top
R18 "10K" "RES 1206 (3216X08L)"#3 291.45,188.086 r270 top
R18 "10K" "RES 1206 (3216X08L)"#3 331.45,188.086 r270 top
R18 "10K" "RES 1206 (3216X08L)"#3 171.45,103.886 r270 top
R18 "10K" "RES 1206 (3216X08L)"#3 211.45,103.886 r270 top
R18 "10K" "RES 1206 (3216X08L)"#3 251.45,103.886 r270 top
R18 "10K" "RES 1206 (3216X08L)"#3 291.45,103.886 r270 top
R18 "10K" "RES 1206 (3216X08L)"#3 331.45,103.886 r270 top
R18 "10K" "RES 1206 (3216X08L)"#3 100.076,63.627 r270 top
R19 "10K" "RES 1206 (3216X08L)"#5 150.368,363.09 r270 top
R19 "10K" "RES 1206 (3216X08L)"#5 190.368,363.09 r270 top
R19 "10K" "RES 1206 (3216X08L)"#5 230.368,363.09 r270 top
R19 "10K" "RES 1206 (3216X08L)"#5 270.368,363.09 r270 top
R19 "10K" "RES 1206 (3216X08L)"#5 310.368,363.09 r270 top
R19 "10K" "RES 1206 (3216X08L)"#5 150.368,278.89 r270 top
R19 "10K" "RES 1206 (3216X08L)"#5 190.368,278.89 r270 top
R19 "10K" "RES 1206 (3216X08L)"#5 230.368,278.89 r270 top
R19 "10K" "RES 1206 (3216X08L)"#5 270.368,278.89 r270 top
R19 "10K" "RES 1206 (3216X08L)"#5 310.368,278.89 r270 top
R19 "10K" "RES 1206 (3216X08L)"#5 150.368,194.69 r270 top
R19 "10K" "RES 1206 (3216X08L)"#5 190.368,194.69 r270 top
R19 "10K" "RES 1206 (3216X08L)"#5 230.368,194.69 r270 top
R19 "10K" "RES 1206 (3216X08L)"#5 270.368,194.69 r270 top
R19 "10K" "RES 1206 (3216X08L)"#5 310.368,194.69 r270 top
R19 "10K" "RES 1206 (3216X08L)"#5 150.368,110.49 r270 top
R19 "10K" "RES 1206 (3216X08L)"#5 190.368,110.49 r270 top
R19 "10K" "RES 1206 (3216X08L)"#5 230.368,110.49 r270 top
R19 "10K" "RES 1206 (3216X08L)"#5 270.368,110.49 r270 top
R19 "10K" "RES 1206 (3216X08L)"#5 310.368,110.49 r270 top
R19 "10K" "RES 1206 (3216X08L)"#5 78.994,70.231 r270 top
R20 "10K" "RES 1206 (3216X08L)"#3 173.505,360.826 r270 top
R20 "10K" "RES 1206 (3216X08L)"#3 213.505,360.826 r270 top
R20 "10K" "RES 1206 (3216X08L)"#3 253.504,360.826 r270 top
R20 "10K" "RES 1206 (3216X08L)"#3 293.505,360.826 r270 top
R20 "10K" "RES 1206 (3216X08L)"#3 333.504,360.826 r270 top
R20 "10K" "RES 1206 (3216X08L)"#3 173.505,276.626 r270 top
R20 "10K" "RES 1206 (3216X08L)"#3 213.505,276.626 r270 top
R20 "10K" "RES 1206 (3216X08L)"#3 253.504,276.626 r270 top
R20 "10K" "RES 1206 (3216X08L)"#3 293.505,276.626 r270 top
R20 "10K" "RES 1206 (3216X08L)"#3 333.504,276.626 r270 top
R20 "10K" "RES 1206 (3216X08L)"#3 173.505,192.426 r270 top
R20 "10K" "RES 1206 (3216X08L)"#3 213.505,192.426 r270 top
R20 "10K" "RES 1206 (3216X08L)"#3 253.504,192.426 r270 top
R20 "10K" "RES 1206 (3216X08L)"#3 293.505,192.426 r270 top
R20 "10K" "RES 1206 (3216X08L)"#3 333.504,192.426 r270 top
R20 "10K" "RES 1206 (3216X08L)"#3 173.505,108.226 r270 top
R20 "10K" "RES 1206 (3216X08L)"#3 213.505,108.226 r270 top
R20 "10K" "RES 1206 (3216X08L)"#3 253.504,108.226 r270 top
R20 "10K" "RES 1206 (3216X08L)"#3 293.505,108.226 r270 top
R20 "10K" "RES 1206 (3216X08L)"#3 333.504,108.226 r270 top
R20 "10K" "RES 1206 (3216X08L)"#3 102.131,67.967 r270 top
R21 "10K" "RES 1206 (3216X08L)"#3 173.505,356.508 r270 top
R21 "10K" "RES 1206 (3216X08L)"#3 213.505,356.508 r270 top
R21 "10K" "RES 1206 (3216X08L)"#3 253.504,356.508 r270 top
R21 "10K" "RES 1206 (3216X08L)"#3 293.505,356.508 r270 top
R21 "10K" "RES 1206 (3216X08L)"#3 333.504,356.508 r270 top
R21 "10K" "RES 1206 (3216X08L)"#3 173.505,272.308 r270 top
R21 "10K" "RES 1206 (3216X08L)"#3 213.505,272.308 r270 top
R21 "10K" "RES 1206 (3216X08L)"#3 253.504,272.308 r270 top
R21 "10K" "RES 1206 (3216X08L)"#3 293.505,272.308 r270 top